# Altium PCB MLB_REV1.PcbDoc (part 4 of 4)
Units mm, origin at the board's own origin, x right, y up, seen from the top; angles counter-clockwise.
Board outline 150 x 100 mm, 4 copper layers (Top Layer, GND, Power, Bottom Layer), stack 0.603 mm thick; 296 components, 218 nets, 1001 pads, 657 vias.
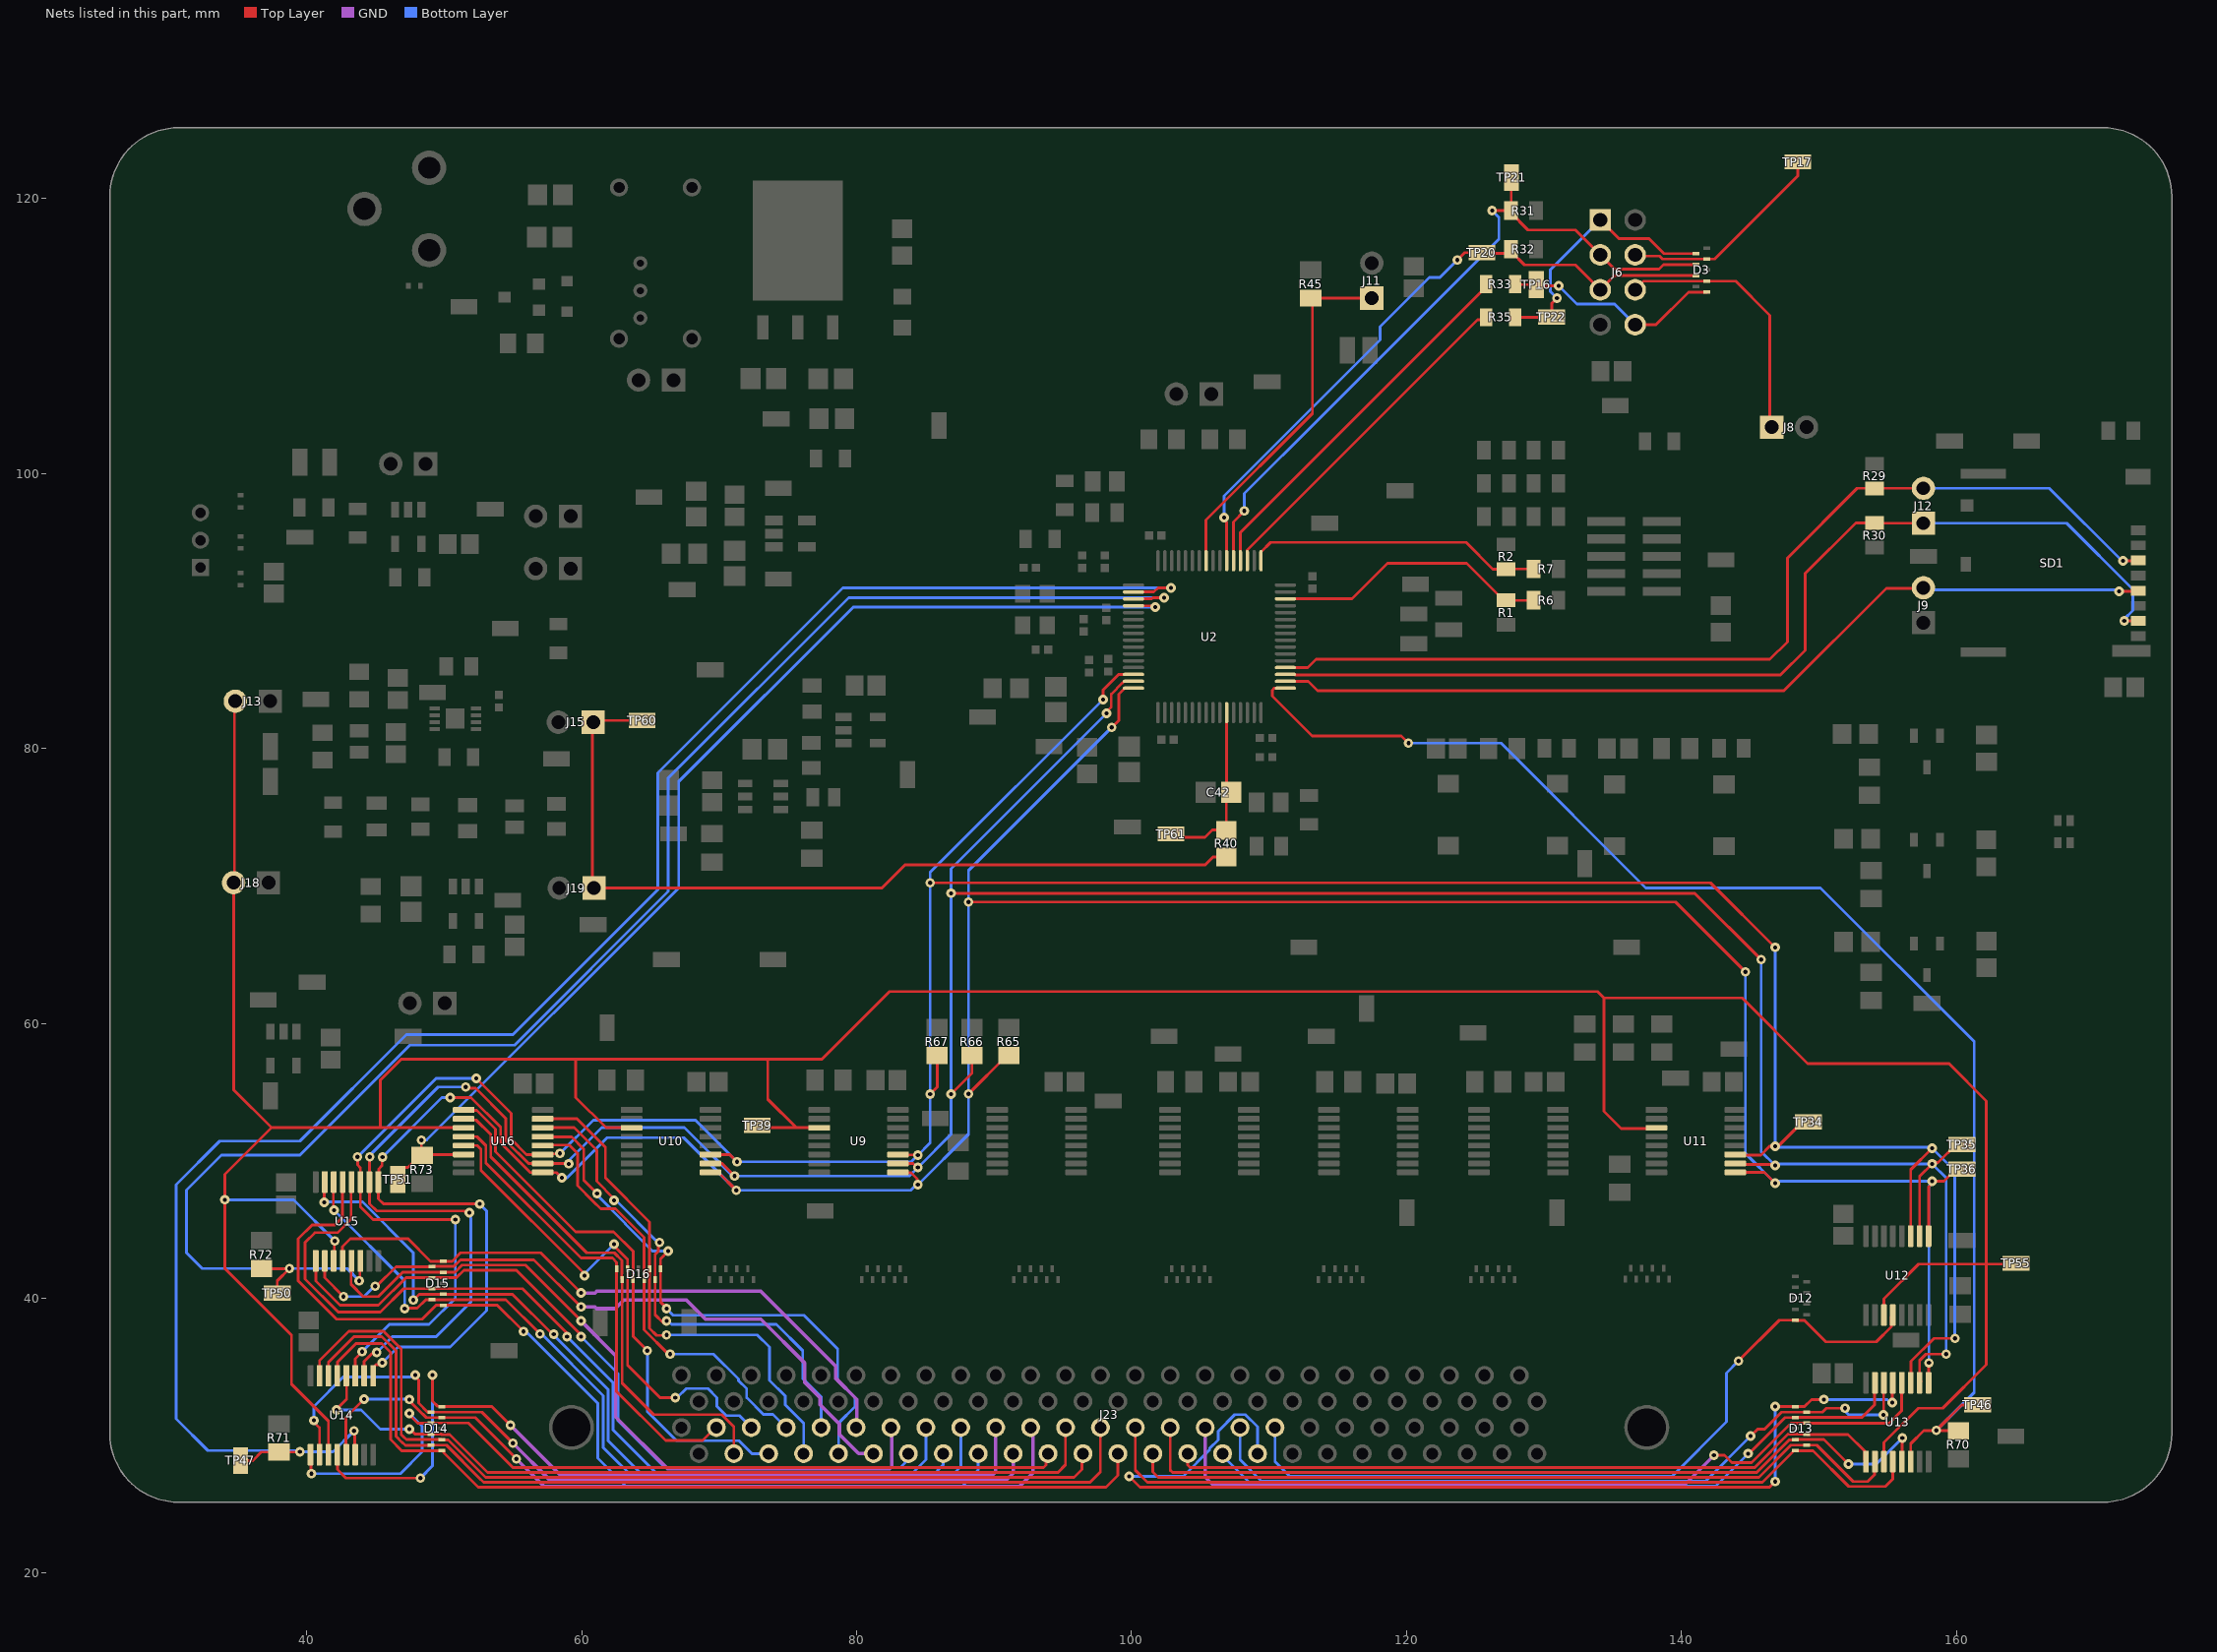
[diagram p6: the nets of this part, all layers, seen from the top]

## Via types
v1: diameter 0.7, hole 0.3, Top Layer to Bottom Layer, tented both sides, 572 vias
v2: diameter 0.7, hole 0.3, Top Layer to Bottom Layer, tented bottom, 79 vias
v3: diameter 5.5, hole 3, Top Layer to Bottom Layer, 6 vias

## Nets (pads, with @x,y where several pads share a name; then routed paths per layer and width w, separated by ;. In a path a pad name is that pad's centre, name@x,y a point inside that pad or via, vN(x,y) a via of type N, cw(c..) or ccw(c..) an arc to the next point about the centre after c; other vN are vias at no path point) (continued)
SENSE_MUX4_Y7: D12.5 J23.66 U12.4 | length 56.6
  Top Layer w0.203: v2(144.145,35.433) 147.117,38.405 D12.5@148.298,38.405 148.321,38.382 148.943,38.382 150.495,36.83 154.178,36.83 155.274,37.926 155.274,38.683 U12.4@155.377,38.786
  Bottom Layer w0.203: J23.66@110.431,30.6 110.431,28.126 111.506,27.051 139.319,27.051 143.281,31.013 143.281,34.569 v2(144.145,35.433)
SENSE_MUX5_EN_L: R70.1 TP46.1 U2.33 U13.6 | length 101.3
  Top Layer w0.203: U2.33@111.189,84.388 111.18,84.379 110.364,84.379 110.236,84.252 110.236,83.82 113.132,80.924 119.609,80.924 v1(120.142,80.391) ; U13.6@156.677,28.118 156.677,29.423 157.616,30.362 158.537,30.362 R70.1@160.147,30.362 ; v1(158.537,30.395) 160.383,32.241 161.527,32.241 TP46.1@161.544,32.258
  Bottom Layer w0.203: v1(120.142,80.391) 126.873,80.391 137.414,69.85 150.114,69.85 161.29,58.674 161.29,33.148 v1(158.537,30.395)
SENSE_MUX5_Y0: D13.1 J23.67 U13.13 | length 77.2
  Top Layer w0.203: v1(99.822,27.051) 100.605,26.268 146.41,26.268 v2(146.812,26.67) ; v2(146.812,32.131) 148.285,32.131 D13.1@148.298,32.118 148.951,32.118 149.472,32.639 v2(150.368,32.639) ; v1(155.333,32.408) 155.333,33.768 155.4,33.835 U13.13@155.377,33.858
  Bottom Layer w0.203: v1(99.822,27.051) 103.759,27.051 105.678,28.971 105.678,29.084 106.289,29.695 106.289,30.325 107.503,31.538 108.28,31.538 109.161,30.657 J23.67@109.161,28.7 ; v2(146.812,26.67) v2(146.812,32.131) ; v2(150.368,32.639) 154.967,32.639 155.198,32.408 v1(155.333,32.408)
SENSE_MUX5_Y1: D13.9 J23.68 U13.14 | length 54.7
  Top Layer w0.203: v2(145.034,29.972) 145.542,30.48 146.05,30.48 147.288,31.718 D13.9@149.098,31.718 150.245,31.718 150.531,32.004 v2(151.892,32.004) ; v1(154.686,31.522) 154.706,31.542 154.706,33.837 U13.14@154.727,33.858
  Bottom Layer w0.203: J23.68@107.891,30.6 107.891,28.253 109.449,26.695 141.757,26.695 v2(145.034,29.972) ; v2(151.892,32.004) 151.987,31.909 151.987,31.703 152.168,31.522 v1(154.686,31.522)
SENSE_MUX5_Y2: D13.2 J23.69 U13.15 | length 52.6
  Top Layer w0.203: v2(144.844,28.702) 144.907,28.702 147.523,31.318 D13.2@148.298,31.318 148.319,31.339 153.132,31.339 154.051,32.258 154.051,33.832 U13.15@154.077,33.858
  Bottom Layer w0.203: J23.69@106.621,28.7 106.621,28.549 108.831,26.34 142.481,26.34 v2(144.844,28.702)
SENSE_MUX5_Y3: D13.8 J23.70 U13.12 | length 59.2
  Top Layer w0.203: v2(142.367,28.575) 143.129,28.575 143.658,28.046 145.092,28.046 147.964,30.918 D13.8@149.098,30.918 155.124,30.918 156.027,31.821 U13.12@156.027,33.858
  GND w0.254: J23.70@105.351,30.6 105.351,26.983 105.918,26.416 140.208,26.416 v2(142.367,28.575)
SENSE_MUX5_Y4: D13.7 J23.71 U13.1 | length 52.5
  Top Layer w0.203: J23.71@104.081,28.7 104.081,27.872 104.263,27.69 145.33,27.69 147.758,30.118 D13.7@149.098,30.118 149.121,30.095 152.116,30.095 153.324,28.887 153.324,28.221 U13.1@153.427,28.118
SENSE_MUX5_Y5: D13.4 J23.72 U13.5 | length 60.7
  Top Layer w0.203: J23.72@102.811,30.6 102.811,27.491 102.967,27.335 145.478,27.335 147.837,29.695 148.275,29.695 D13.4@148.298,29.718 150.368,29.718 v2(152.146,27.94) ; U13.5@156.027,28.118 156.05,28.141 156.05,29.822 v1(156.073,29.845)
  Bottom Layer w0.203: v2(152.146,27.94) 154.168,27.94 v1(156.073,29.845)
SENSE_MUX5_Y6: D13.6 J23.73 U13.2 | length 57.3
  Top Layer w0.203: J23.73@101.541,28.75 101.541,27.364 101.926,26.979 145.625,26.979 147.964,29.318 D13.6@149.098,29.318 149.844,29.318 152.492,26.67 153.543,26.67 154.042,27.169 154.042,28.083 U13.2@154.077,28.118
SENSE_MUX5_Y7: D13.5 J23.74 U13.4 | length 62.1
  Top Layer w0.203: J23.74@100.271,30.6 100.271,27.491 101.139,26.623 145.878,26.623 148.173,28.918 149.567,28.918 152.17,26.314 154.838,26.314 155.377,26.853 U13.4@155.377,28.118
SENSE_MUX6_EN_L: R71.1 TP47.1 U2.2 U14.6 | length 136.1
  Top Layer w0.203: TP47.1@35.179,28.194 36.068,28.194 36.694,28.82 R71.1@37.973,28.82 39.488,28.82 v1(39.497,28.829) ; v1(43.434,30.353) 43.477,30.31 43.477,28.669 U14.6@43.52,28.626 ; U2.2@100.139,91.388 101.62,91.388 101.926,91.694 v1(102.87,91.694)
  Bottom Layer w0.203: v1(39.497,28.829) 41.91,28.829 v1(43.434,30.353) ; v1@39.497,28.924 32.798,28.924 30.48,31.242 30.48,48.26 33.655,51.435 39.497,51.435 47.244,59.182 54.991,59.182 65.532,69.723 65.532,78.232 78.994,91.694 v1(102.87,91.694)
SENSE_MUX6_Y0: D14.1 J23.75 U14.13 | length 68.4
  Top Layer w0.203: U14.13@42.22,34.366 42.22,35.362 43.576,36.718 45.451,36.718 46.101,36.068 46.101,29.718 46.901,28.918 D14.1@49.822,28.918 49.947,28.918 49.97,28.895 49.97,28.77 52.472,26.268 98.15,26.268 99.001,27.119 J23.75@99.001,28.7
SENSE_MUX6_Y1: D14.9 J23.76 U14.14 | length 69.5
  Top Layer w0.203: U14.14@41.57,34.366 41.57,35.347 43.434,37.211 45.461,37.211 46.482,36.19 46.482,29.96 46.931,29.511 46.943,29.511 47.159,29.295 D14.9@49.022,29.295 ; D14.9@49.022,29.318 50.156,29.318 52.55,26.924 52.851,26.623 96.981,26.623 97.731,27.373 J23.76@97.731,30.6
SENSE_MUX6_Y2: D14.2 J23.77 U14.15 | length 66.9
  Top Layer w0.203: U14.15@40.92,34.366 40.92,35.459 43.053,37.592 45.583,37.592 46.863,36.312 46.863,30.082 47.078,29.867 47.095,29.867 47.244,29.718 D14.2@49.822,29.718 49.845,29.695 50.283,29.695 52.998,26.979 95.821,26.979 96.393,27.551 96.393,28.632 J23.77@96.461,28.7
SENSE_MUX6_Y3: D14.8 J23.78 U14.12 | length 60.7
  Top Layer w0.203: v1(42.164,31.877) 42.164,31.933 42.898,32.667 42.898,34.338 U14.12@42.87,34.366 ; v2(47.467,30.48) 47.505,30.48 47.867,30.118 D14.8@49.022,30.118 49.765,30.118 49.786,30.097 50.383,30.097 53.145,27.335 94.645,27.335 95.191,27.881 J23.78@95.191,30.6
  Bottom Layer w0.203: v1(42.164,31.877) 43.942,31.877 45.339,30.48 v2(47.467,30.48)
SENSE_MUX6_Y4: D14.7 J23.79 U14.1 | length 62.3
  Top Layer w0.203: U14.1@40.27,28.626 40.299,28.597 40.299,27.265 v2(40.328,27.236) ; v2(47.467,31.623) 47.467,31.527 48.076,30.918 D14.7@49.022,30.918 49.478,30.918 49.49,30.93 51.752,30.93 54.992,27.69 89.877,27.69 ; 89.877,27.691 93.604,27.691 93.771,27.858 93.771,28.55 J23.79@93.921,28.7
  Bottom Layer w0.203: v2(40.328,27.236) 46.794,27.236 48.387,28.829 48.387,30.703 v2(47.467,31.623)
SENSE_MUX6_Y5: D14.4 J23.80 U14.5 | length 59.7
  Top Layer w0.203: U14.5@42.87,28.626 42.83,28.666 42.83,31.336 v1(44.164,32.671) ; v2@47.467,32.539 48.122,31.884 48.688,31.318 D14.4@49.822,31.318 52.248,31.318 v2(55.245,28.321) ; v2(47.467,32.639) v2@47.467,32.773
  GND w0.254: v2(55.245,28.321) 55.249,28.321 57.277,26.293 91.825,26.293 92.837,27.305 J23.80@92.837,30.6
  Bottom Layer w0.203: v1(44.164,32.671) 44.18,32.655 47.451,32.655 v2(47.467,32.639)
SENSE_MUX6_Y6: D14.6 J23.81 U14.2 | length 61.3
  Top Layer w0.203: v1(40.513,31.115) 40.513,31.003 40.92,30.596 U14.2@40.92,28.626 ; v2(47.879,34.417) 47.879,34.304 48.133,34.05 48.133,32.376 48.767,31.741 48.999,31.741 D14.6@49.022,31.718 52.737,31.718 v2(54.991,29.464)
  GND w0.254: v2(54.991,29.464) 57.659,26.797 90.902,26.797 91.381,27.276 J23.81@91.381,28.7
  Bottom Layer w0.203: v1(40.513,31.115) 40.513,32.131 42.649,34.267 47.512,34.267 47.567,34.322 47.784,34.322 v2(47.879,34.417)
SENSE_MUX6_Y7: D14.5 J23.82 U14.4 | length 63.6
  Top Layer w0.203: U14.4@42.22,28.626 42.22,27.536 42.832,26.924 v2(48.26,26.924) ; v2(49.149,34.417) 49.149,32.512 49.52,32.141 49.799,32.141 D14.5@49.822,32.118 53.455,32.118 v2(54.808,30.765)
  GND w0.254: v2(54.808,30.765) 58.369,27.203 89.962,27.203 90.111,27.352 J23.82@90.111,30.6
  Bottom Layer w0.203: v2(48.26,26.924) 49.149,27.813 v2(49.149,34.417)
SENSE_MUX7_EN_L: R72.1 TP50.1 U2.3 U15.6 | length 119.7
  Top Layer w0.203: R72.1@36.703,42.155 v1@38.726,42.155 ; TP50.1@37.846,40.386 37.846,41.275 v1@38.726,42.155 ; v1(38.735,42.164) v1@38.726,42.155 ; v1(43.815,41.275) 43.858,41.318 43.858,42.68 U15.6@43.901,42.723 ; U2.3@100.139,90.888 101.464,90.888 101.551,90.975 v1(102.362,90.975)
  Bottom Layer w0.203: v1(43.815,41.275) 42.926,42.164 v1(38.735,42.164) 32.385,42.164 31.242,43.307 31.242,47.879 33.782,50.419 39.497,50.419 47.498,58.42 55.118,58.42 66.294,69.596 66.294,77.851 79.418,90.975 v1(102.362,90.975)
SENSE_MUX7_Y0: D15.1 J23.83 U15.13 | length 70.1
  Top Layer w0.203: U15.13@42.601,48.463 42.588,48.45 42.588,45.89 42.037,45.339 40.386,45.339 39.37,44.323 39.37,41.275 42.164,38.481 48.387,38.481 49.403,39.497 D15.1@49.911,39.497 53.848,39.497 v2(55.753,37.592)
  Bottom Layer w0.203: v2(55.753,37.592) 55.887,37.592 56.058,37.421 56.102,37.421 61.162,32.36 61.162,28.373 63.267,26.268 87.609,26.268 88.841,27.5 J23.83@88.841,28.7
SENSE_MUX7_Y1: D15.9 J23.84 U15.14 | length 63.1
  Top Layer w0.203: U15.14@41.951,48.463 41.93,48.442 41.93,46.462 v1(41.984,46.408) ; v2(47.117,39.243) 47.148,39.274 48.037,39.274 48.66,39.897 D15.9@49.111,39.897 54.48,39.897 v2(56.967,37.409)
  Bottom Layer w0.203: v1(41.984,46.408) 47.117,41.275 v2(47.117,39.243) ; v2(56.967,37.409) 57.079,37.409 61.57,32.918 61.57,29.143 64.089,26.623 86.44,26.623 87.571,27.754 J23.84@87.571,30.6
SENSE_MUX7_Y2: D15.2 J23.85 U15.15 | length 60.6
  Top Layer w0.203: v1(41.275,46.99) 41.275,48.437 U15.15@41.301,48.463 ; v2(47.752,39.878) 48.171,40.297 D15.2@49.911,40.297 54.953,40.297 57.866,37.384 v2(57.958,37.384)
  Bottom Layer w0.203: v1(41.275,46.99) 41.297,47.012 44.047,47.012 47.752,43.307 v2(47.752,39.878) ; v2(57.958,37.384) 57.958,37.327 61.926,33.359 61.926,29.641 64.588,26.979 85.399,26.979 86.301,27.881 J23.85@86.301,28.7
SENSE_MUX7_Y3: D15.8 J23.86 U15.12 | length 66.7
  Top Layer w0.203: U15.12@43.251,48.463 43.212,48.424 43.212,45.752 42.234,44.774 40.583,44.774 39.878,44.069 39.878,41.402 42.285,38.995 45.345,38.995 47.047,40.697 D15.8@49.111,40.697 55.696,40.697 58.928,37.465 v2(58.928,37.211)
  Bottom Layer w0.203: v2(58.928,37.211) 62.281,33.858 62.281,30.429 65.375,27.335 84.104,27.335 85.031,28.262 J23.86@85.031,30.6
SENSE_MUX7_Y4: D15.7 J23.87 U15.1 | length 54.9
  Top Layer w0.203: U15.1@40.651,42.723 40.651,41.264 42.418,39.497 45.212,39.497 47.22,41.505 48.002,41.505 48.009,41.498 49.11,41.498 D15.7@49.111,41.497 50.88,41.497 51.42,42.037 55.245,42.037 v2@59.944,37.338
  Bottom Layer w0.203: v2(59.944,37.211) 62.637,34.518 62.637,31.089 66.036,27.69 83.189,27.69 83.538,28.039 83.538,28.477 J23.87@83.761,28.7
SENSE_MUX7_Y5: D15.4 J23.88 U15.5 | length 54
  Top Layer w0.203: U15.5@43.251,42.723 43.211,42.683 43.211,41.025 44.104,40.132 45.212,40.132 46.977,41.897 D15.4@49.911,41.897 50.777,41.897 51.298,42.418 55.896,42.418 59.944,38.37 v2(59.944,38.354)
  GND w0.254: v2(59.944,38.354) 62.484,35.814 62.484,31.369 66.243,27.61 82.401,27.61 82.55,27.759 82.55,30.541 J23.88@82.491,30.6
SENSE_MUX7_Y6: D15.6 J23.89 U15.2 | length 50.7
  Top Layer w0.203: U15.2@41.301,42.723 41.301,41.503 v2(42.672,40.132) ; v2(44.975,40.877) 45.068,40.877 46.488,42.297 D15.6@49.111,42.297 49.134,42.32 49.366,42.32 49.553,42.32 49.556,42.318 50.695,42.318 51.176,42.799 56.515,42.799 v2(59.944,39.37)
  GND w0.254: v2(59.944,39.37) 60.963,39.37 61.084,39.249 62.436,39.249 63.06,39.872 67.614,39.872 69.005,38.481 73.025,38.481 76.231,35.275 76.231,33.878 77.343,32.766 77.343,32.258 78.74,30.861 78.74,30.099 80.139,28.7 J23.89@81.221,28.7
  Bottom Layer w0.203: v2(42.672,40.132) 44.159,40.132 44.904,40.877 v2(44.975,40.877)
SENSE_MUX7_Y7: D15.5 J23.90 U15.4 | length 46.7
  Top Layer w0.203: U15.4@42.601,42.723 42.601,43.749 43.175,44.323 47.371,44.323 48.997,42.697 D15.5@49.911,42.697 50.571,42.697 51.181,43.307 57.023,43.307 v2(59.944,40.386)
  GND w0.254: v2(59.944,40.386) 60.963,40.386 61.084,40.507 73.031,40.507 78.486,35.052 78.486,34.163 80.01,32.639 80.01,30.659 J23.90@79.951,30.6
SENSE_MUX8_EN_L: R73.1 TP51.1 U2.4 U16.6 | length 82.6
  Top Layer w0.203: TP51.1@46.609,48.641 46.609,49.066 47.057,49.514 47.359,49.514 48.237,50.392 R73.1@48.387,50.392 ; v1(48.339,51.514) 48.339,50.44 R73.1@48.387,50.392 ; U16.6@51.41,50.46 48.455,50.46 R73.1@48.387,50.392 ; U2.4@100.139,90.388 100.148,90.379 101.645,90.379 v1(101.727,90.297)
  Bottom Layer w0.203: v1(48.339,51.514) 48.715,51.514 67.056,69.855 67.056,77.597 79.756,90.297 v1(101.727,90.297)
SENSE_MUX8_Y0: D16.1 J23.91 U16.13 | length 40.9
  Top Layer w0.203: U16.13@57.15,51.76 57.175,51.735 59.263,51.735 60.141,50.857 60.141,48.597 v2(61.113,47.625) ; v2(66.167,39.243) 66.167,39.305 65.735,39.737 65.735,42.875 v2(66.294,43.434)
  Bottom Layer w0.203: v2(61.113,47.625) 61.113,47.507 63.18,45.44 63.18,45.405 65.151,43.434 v2(66.294,43.434) ; v2(66.167,39.243) 66.644,38.766 76.169,38.766 78.613,36.322 78.613,34.036 79.883,32.766 79.883,32.131 78.681,30.929 J23.91@78.681,28.7
SENSE_MUX8_Y1: D16.9 J23.92 U16.14 | length 36.8
  Top Layer w0.203: U16.14@57.15,52.41 59.442,52.41 61.087,50.765 61.087,48.514 62.357,47.244 v2(62.357,47.117) ; v2(65.659,44.069) 65.564,43.974 65.564,43.425 65.335,43.196 D16.9@65.335,41.364 65.335,38.805 65.892,38.248 65.904,38.259 66.072,38.259 v2(66.167,38.354)
  Bottom Layer w0.203: v2(62.357,47.117) 62.484,47.117 65.532,44.069 v2(65.659,44.069) ; v2(66.167,38.354) 66.28,38.354 66.534,38.1 74.168,38.1 76.073,36.195 76.073,34.163 77.411,32.825 J23.92@77.411,30.6
SENSE_MUX8_Y2: D16.2 J23.93 U16.15 | length 38
  Top Layer w0.203: U16.15@57.15,53.06 59.646,53.06 61.722,50.984 61.722,48.768 64.935,45.555 D16.2@64.935,42.164 64.935,37.808 65.448,37.295 66.124,37.295 v2(66.167,37.338)
  Bottom Layer w0.203: v2(66.167,37.338) 72.771,37.338 73.66,36.449 73.66,34.036 74.803,32.893 74.803,32.258 76.141,30.92 J23.93@76.141,28.7
SENSE_MUX8_Y3: D16.8 J23.94 U16.12 | length 32
  Top Layer w0.203: U16.12@57.15,51.11 57.19,51.15 59.086,51.15 59.69,50.546 59.69,48.194 60.863,47.021 61.371,46.513 62.453,46.513 64.535,44.431 64.535,37.705 66.299,35.941 v1(66.421,35.941)
  Bottom Layer w0.203: v1(66.421,35.941) 69.577,35.941 71.393,34.125 71.393,34.011 71.999,33.405 71.999,32.775 73.213,31.562 73.909,31.562 J23.94@74.871,30.6
SENSE_MUX8_Y4: D16.7 J23.95 U16.1 | length 39.7
  Top Layer w0.203: U16.1@51.41,53.71 51.44,53.68 52.365,53.68 53.732,52.313 53.732,50.662 59.563,44.831 62.322,44.831 63.735,43.418 D16.7@63.735,41.364 63.735,37.23 v1(64.77,36.195)
  Bottom Layer w0.203: v1(64.77,36.195) 64.77,31.755 66.887,29.638 71.45,29.638 72.388,28.7 J23.95@73.601,28.7
SENSE_MUX8_Y5: D16.4 J23.96 U16.5 | length 37.9
  Top Layer w0.203: U16.5@51.41,51.11 52.395,51.11 52.665,50.84 52.665,49.316 60.198,41.783 v2(60.198,41.656) ; v2(62.357,43.942) 62.357,43.815 63.335,42.837 63.335,35.125 65.694,32.766 v1(66.802,32.766)
  Bottom Layer w0.203: v2(60.198,41.656) 60.198,41.783 v2(62.357,43.942) ; v1(66.802,32.766) 66.94,32.766 67.612,33.438 69.178,33.438 69.838,32.778 69.838,32.143 70.514,31.467 71.464,31.467 J23.96@72.331,30.6
SENSE_MUX8_Y6: D16.6 J23.97 U16.2 | length 37.1
  Top Layer w0.203: U16.2@51.41,53.06 51.494,52.976 52.31,52.976 53.377,51.91 53.377,50.296 60.366,43.307 62.362,43.307 62.914,42.755 62.914,41.809 62.902,41.797 62.902,41.628 62.912,41.619 62.912,41.387 D16.6@62.935,41.364 62.935,33.826 65.223,31.538 70.18,31.538 71.061,30.657 J23.97@71.061,28.7
SENSE_MUX8_Y7: D16.5 J23.98 U16.4 | length 34.2
  Top Layer w0.203: U16.4@51.41,51.76 51.415,51.755 52.381,51.755 53.021,51.115 53.021,49.849 59.944,42.926 62.23,42.926 62.535,42.621 D16.5@62.535,42.164 62.535,33.223 66.096,29.662 68.778,29.662 69.716,30.6 J23.98@69.791,30.6
SENSE_MUX_OUT: J13.2 J18.2 TP39.1 TP55.1 U9.3 U10.3 U11.3 U12.3 U13.3 U14.3 U15.3 U16.3 | length 284.6
  Top Layer w0.203: v1(34.026,47.17) 34.036,47.17 34.036,42.164 38.886,37.314 38.886,33.758 41.57,31.074 U14.3@41.57,28.626 ; v1@34.026,47.18 34.026,49.012 37.424,52.41 ; J13.2@34.798,83.439 34.734,83.376 34.734,70.294 J18.2@34.671,70.231 34.671,55.163 37.424,52.41 ; U15.3@41.951,42.723 41.994,42.766 41.994,44.127 v1(42.037,44.17) ; U16.3@51.41,52.41 45.339,52.41 ; U10.3@63.622,52.41 61.763,52.41 59.563,54.61 59.563,57.404 ; TP39.1@72.771,52.578 72.939,52.41 75.606,52.41 ; U9.3@77.267,52.41 75.606,52.41 ; U11.3@138.176,52.41 138.119,52.353 135.607,52.353 134.366,53.594 134.366,61.849 ; U13.3@154.727,28.118 154.727,29.505 157.226,32.004 159.004,32.004 162.179,35.179 162.179,42.485 ; U12.3@154.727,38.786 154.727,39.957 157.256,42.485 162.179,42.485 ; TP55.1@164.338,42.545 164.278,42.485 162.179,42.485 ; 37.424,52.41 45.339,52.41 ; 45.339,52.41 45.339,55.88 46.863,57.404 59.563,57.404 ; 59.563,57.404 73.414,57.404 ; 73.414,57.404 77.47,57.404 82.382,62.316 133.899,62.316 134.366,61.849 ; 73.414,57.404 73.533,57.285 73.533,54.483 75.606,52.41 ; 134.366,61.849 144.407,61.849 149.191,57.065 159.47,57.065 162.179,54.356 162.179,42.485
  Bottom Layer w0.203: v1(34.026,47.17) 39.037,47.17 v1(42.037,44.17)
SENSE_MUX_S1: R67.2 TP34.1 U2.14 U9.11 U10.11 U11.11 U12.11 U13.11 U14.11 U15.11 U16.11 | length 247.4
  Top Layer w0.203: U14.11@43.52,34.366 43.52,35.599 44.023,36.102 v1(44.023,36.114) ; v1(43.688,50.292) 43.688,49.698 43.901,49.485 U15.11@43.901,48.463 43.901,46.65 44.831,45.72 v1(50.8,45.72) ; v1(52.324,56.007) 54.864,53.467 54.864,51.581 55.985,50.46 U16.11@57.15,50.46 57.193,50.503 58.377,50.503 v1(58.42,50.546) ; U10.11@69.362,50.46 70.771,50.46 v1(71.301,49.93) ; U9.11@83.007,50.46 83.027,50.439 84.435,50.439 v1(84.455,50.419) ; v1(85.344,54.864) 85.852,55.372 R67.2@85.852,57.649 ; v1(85.344,70.231) 142.113,70.231 v1(146.812,65.532) ; v1(97.917,83.566) 97.917,84.258 99.047,85.388 U2.14@100.139,85.388 ; U11.11@143.916,50.46 143.953,50.423 145.773,50.423 146.404,51.054 v1(146.812,51.054) 146.907,51.149 147.117,51.149 148.8,52.832 TP34.1@149.225,52.832 ; U13.11@156.677,33.858 156.698,33.878 156.698,35.413 158.369,37.084 v1(159.893,37.084) ; U12.11@156.677,44.526 156.677,49.362 v1(158.242,50.927)
  Bottom Layer w0.203: v1(43.688,50.292) 49.403,56.007 v1(52.324,56.007) ; v1(44.023,36.114) 46.009,38.1 48.895,38.1 50.8,40.005 v1(50.8,45.72) ; v1(58.42,50.546) 60.833,52.959 68.272,52.959 v1(71.301,49.93) 83.966,49.93 v1(84.455,50.419) 85.344,51.308 v1(85.344,54.864) v1(85.344,70.231) 85.344,70.993 v1(97.917,83.566) ; v1(146.812,65.532) v1(146.812,51.054) 146.875,50.99 v1@158.144,50.99 ; v1(158.242,50.927) 159.893,49.276 v1(159.893,37.084)
SENSE_MUX_S2: R66.2 TP35.1 U2.15 U9.10 U10.10 U11.10 U12.10 U13.10 U14.10 U15.10 U16.10 | length 243.1
  Top Layer w0.203: U14.10@44.17,34.366 44.17,35.407 44.736,35.973 44.99,35.973 v1(45.085,36.068) ; v1(44.577,50.292) 44.564,50.279 44.564,48.476 U15.10@44.551,48.463 44.561,48.453 44.561,46.879 45.085,46.355 51.449,46.355 51.481,46.323 51.721,46.323 v1(51.816,46.228) ; v1(51.562,55.372) 51.657,55.277 52.292,55.277 54.483,53.086 54.483,51.46 56.133,49.81 U16.10@57.15,49.81 57.163,49.797 59.042,49.797 v1(59.055,49.784) ; U10.10@69.362,49.81 70.205,49.81 v1(71.12,48.895) ; U9.10@83.007,49.81 84.097,49.81 84.377,49.53 v1(84.455,49.53) ; v1(86.868,54.864) 88.392,56.388 R66.2@88.392,57.649 ; v1(86.868,69.469) 140.97,69.469 v1(145.796,64.643) ; v1(98.171,82.55) 98.171,82.663 98.521,83.013 98.521,83.956 99.332,84.767 99.355,84.767 99.476,84.888 U2.15@100.139,84.888 ; U11.10@143.916,49.81 143.992,49.734 146.735,49.734 v1(146.812,49.657) ; U12.10@157.327,44.526 157.327,48.869 v1(158.242,49.784) 158.337,49.879 158.674,49.879 159.976,51.181 TP35.1@160.401,51.181 ; U13.10@157.43,33.961 U13.10@157.327,33.858 157.327,35.476 157.792,35.941 v1(159.258,35.941)
  Bottom Layer w0.203: v1(44.577,50.292) 44.577,50.396 49.553,55.372 v1(51.562,55.372) ; v1(45.085,36.068) 46.228,37.211 49.403,37.211 50.419,38.227 50.435,38.227 51.943,39.735 51.943,45.847 51.911,45.879 51.911,46.133 v1(51.816,46.228) ; v1(59.055,49.784) 59.15,49.879 59.15,50.133 61.444,52.427 67.461,52.427 70.993,48.895 v1(71.12,48.895) 83.82,48.895 v1(84.455,49.53) 86.868,51.943 v1(86.868,54.864) 86.868,71.247 v1(98.171,82.55) ; v1(145.796,64.643) 145.796,50.673 v1(146.812,49.657) 146.939,49.784 v1(158.242,49.784) 159.258,48.768 v1(159.258,35.941)
SENSE_MUX_S3: R65.2 TP36.1 U2.16 U9.9 U10.9 U11.9 U12.9 U13.9 U14.9 U15.9 U16.9 | length 238.6
  Top Layer w0.203: U14.9@44.82,34.366 44.923,34.469 44.923,35.058 45.042,35.177 45.226,35.177 45.363,35.313 v1(45.497,35.313) ; v1(45.504,50.283) 45.466,50.245 45.466,49.657 45.229,49.42 45.229,49.071 45.201,49.043 45.201,47.236 45.574,46.863 v1(52.578,46.863) ; v1(50.419,54.61) 51.938,54.61 54.102,52.446 54.102,51.308 56.261,49.149 U16.9@57.15,49.149 ; U16.9@57.15,49.16 U16.9@57.15,49.149 ; v1(58.547,48.768) 58.166,49.149 U16.9@57.15,49.149 ; U10.9@69.362,49.16 69.942,49.16 v1(71.247,47.855) ; U9.9@83.007,49.16 83.035,49.132 83.964,49.132 84.386,48.71 84.386,48.329 v1(84.455,48.26) ; v1(88.138,54.878) 90.909,57.649 R65.2@91.059,57.649 ; v1(88.138,68.834) 139.573,68.834 v1(144.653,63.754) ; v1(98.552,81.534) 99.06,82.042 99.06,83.959 99.489,84.388 U2.16@100.139,84.388 ; U11.9@143.916,49.16 146.039,49.16 v1(146.812,48.387) ; U13.9@157.977,33.858 157.992,33.873 157.992,35.287 v1(158.007,35.302) ; U12.9@157.977,44.526 157.977,48.115 158.242,48.38 v1(158.242,48.514) 159.087,48.514 159.976,49.403 TP36.1@160.401,49.403
  Bottom Layer w0.203: v1(45.497,35.313) 46.641,36.458 50.428,36.458 53.086,39.116 53.086,46.355 v1(52.578,46.863) ; v1(45.504,50.283) 49.831,54.61 v1(50.419,54.61) ; v1(58.547,48.768) 58.928,48.768 61.849,51.689 67.413,51.689 v1(71.247,47.855) 83.934,47.855 84.339,48.26 v1(84.455,48.26) 88.138,51.943 v1(88.138,68.834) 88.138,71.12 v1(98.552,81.534) ; v1(144.653,63.754) 144.653,50.546 v1(146.812,48.387) 146.939,48.514 v1(158.242,48.514) 158.242,48.38 158.007,48.144 v1(158.007,35.302)
SENSE_OUT: C42.1 R40.2 TP61.1 U2.27 | length 13.4
  Top Layer w0.203: TP61.1@102.87,73.787 103.124,73.533 105.337,73.533 105.874,74.069 106.41,74.069 R40.2@106.897,74.556 ; R40.2@106.883,74.052 106.897,74.065 R40.2@106.897,74.556 ; U2.27@106.914,82.613 106.914,77.146 C42.1@107.25,76.81 106.897,76.456 R40.2@106.897,74.556
SENSE_OUT_R: J15.1 J19.1 R40.1 TP60.1 | length 62.7
  Top Layer w0.203: TP60.1@64.389,82.042 60.96,82.042 J15.1@60.833,81.915 60.77,81.852 60.77,69.977 J19.1@60.896,69.85 81.839,69.85 83.513,71.524 105.348,71.524 105.924,72.1 R40.1@106.883,72.1
SPI_CS2_L: J11.1 R45.2 U2.57 | length 26.8
  Top Layer w0.203: U2.57@105.414,93.663 105.414,96.626 113.157,104.369 R45.2@113.157,112.767 ; R45.2@113.03,112.767 R45.2@113.157,112.767 ; J11.1@117.475,112.776 113.166,112.776 R45.2@113.157,112.767
SPI_MISO: J12.1 R30.1 SD1.7 U2.35 | length 75.2
  Top Layer w0.203: U2.35@111.189,85.388 111.852,85.388 111.896,85.344 147.193,85.344 148.998,87.149 148.998,92.737 152.676,96.415 R30.1@154.051,96.415 154.073,96.393 J12.1@157.607,96.393 ; v1(172.212,89.281) 172.974,89.281 173.101,89.154 SD1.7@173.228,89.281
  Bottom Layer w0.203: J12.1@157.607,96.393 168.021,96.393 172.847,91.567 172.847,90.05 172.212,89.415 v1(172.212,89.281)
SPI_MOSI: J12.2 R29.1 SD1.3 U2.36 | length 73.2
  Top Layer w0.203: U2.36@111.189,85.888 112.812,85.888 113.411,86.487 146.431,86.487 147.701,87.757 147.701,93.853 152.781,98.933 J12.2@157.607,98.933 ; v1(172.131,93.645) 173.192,93.645 SD1.3@173.228,93.681
  Bottom Layer w0.203: J12.2@157.607,98.933 166.751,98.933 172.039,93.645 v1(172.131,93.645)
SPI_SCK: J9.2 SD1.5 U2.34 | length 65.4
  Top Layer w0.203: U2.34@111.189,84.888 112.851,84.888 113.538,84.201 147.447,84.201 154.896,91.65 157.563,91.65 J9.2@157.607,91.694 ; v1(171.831,91.44) 172.862,91.44 172.909,91.488 172.957,91.44 173.113,91.596 SD1.5@173.228,91.481
  Bottom Layer w0.203: J9.2@157.861,91.694 158.02,91.535 171.736,91.535 v1(171.831,91.44)
SWDCLK: R2.1 R7.2 U2.49 | length 21.6
  Top Layer w0.203: U2.49@109.414,93.663 109.414,94.301 110.109,94.996 124.333,94.996 126.275,93.054 R2.1@127.24,93.054 127.251,93.065 R7.2@129.25,93.065
SWDIO: R1.1 R6.2 U2.46 | length 20.2
  Top Layer w0.203: U2.46@111.189,90.888 116.034,90.888 118.618,93.472 124.383,93.472 127.065,90.79 R1.1@127.24,90.79 ; R1.1@127.24,90.779 R6.2@129.25,90.779
UART_RX: R35.1 U2.51 | length 25.2
  Top Layer w0.203: U2.51@108.414,93.663 108.423,93.672 108.423,94.453 125.153,111.183 125.593,111.183 R35.1@125.789,111.379
UART_TX: R33.1 U2.52 | length 27.5
  Top Layer w0.203: U2.52@107.914,93.663 107.914,95.717 125.789,113.592 R33.1@125.789,113.792
WIFI_EN: D3.7 J6.3 R31.2 TP21.1 U2.53 | length 52.9
  Top Layer w0.203: U2.53@107.414,93.663 107.414,96.492 v1(108.204,97.282) ; v1(126.226,119.131) 127.608,119.131 R31.2@127.613,119.126 ; TP21.1@127.635,121.539 127.613,121.517 R31.2@127.613,119.126 ; D3.7@141.059,115.208 138.703,115.208 138.369,114.874 135.131,114.874 J6.3@134.092,115.913 132.276,117.729 128.835,117.729 127.613,118.951 R31.2@127.613,119.126
  Bottom Layer w0.203: v1(108.204,97.282) 108.204,98.552 113.665,104.013 126.715,117.063 126.715,118.642 v1(126.226,119.131)
WIFI_GPIO0: D3.2 J6.6 J8.1 | length 19.3
  Top Layer w0.203: J6.6@136.632,113.373 137.267,114.008 D3.2@141.859,114.008 143.937,114.008 146.312,111.633 146.431,111.514 146.431,103.505 J8.1@146.558,103.378
WIFI_GPIO2: D3.4 J6.4 TP17.1 | length 15.5
  Top Layer w0.203: J6.4@136.632,115.913 136.721,115.824 138.405,115.824 138.621,115.608 D3.4@141.859,115.608 142.414,115.608 148.463,121.657 TP17.1@148.463,122.682
WIFI_RST: D3.8 J6.5 R32.2 TP20.1 U2.54 | length 48.6
  Top Layer w0.203: v1(106.725,96.799) 106.725,96.665 106.914,96.476 U2.54@106.914,93.663 ; v1(123.701,115.545) 124.234,116.078 TP20.1@125.476,116.078 TP20.1@126.046,116.078 ; TP20.1@126.046,116.018 127.299,116.018 R32.2@127.613,116.332 ; R32.2@127.677,116.093 128.581,115.189 132.276,115.189 J6.5@134.092,113.373 135.131,114.412 138.554,114.412 138.558,114.408 D3.8@141.059,114.408
  Bottom Layer w0.203: v1(106.725,96.799) 106.725,98.383 118.079,109.737 118.079,110.687 121.665,114.274 122.43,114.274 v1(123.701,115.545)
WIFI_RX: D3.1 J6.8 R33.2 TP16.1 | length 16.3
  Top Layer w0.203: R33.2@127.889,113.792 127.924,113.757 TP16.1@129.448,113.757 129.54,113.665 130.879,113.665 130.972,113.757 v1(131.064,113.665) ; J6.8@136.632,110.833 138.138,110.833 140.513,113.208 D3.1@141.859,113.208
  Bottom Layer w0.203: v1(131.064,113.665) 132.397,112.332 135.133,112.332 J6.8@136.632,110.833
WIFI_TX: D3.6 J6.1 R35.2 TP22.1 | length 19.7
  Top Layer w0.203: R35.2@127.889,111.379 130.463,111.379 TP22.1@130.556,111.379 130.556,112.395 v1(130.937,112.776) ; J6.1@134.092,118.453 135.451,117.094 137.638,117.094 138.724,116.008 D3.6@141.059,116.008 141.131,116.008 D3.6@141.155,116.031
  Bottom Layer w0.203: v1(130.937,112.776) 130.46,113.253 130.46,114.821 J6.1@134.092,118.453
pads on no net: J1.3 J1.4 J1.5 J1.6 J1.7 SD1.1 SD1.8 U5.7 U6.7 U7.7 U8.7 U9.7 U10.7 U11.7 U12.7 U13.7 U14.7 U15.7 U16.7

## Polygon pours and split planes (outlines as drawn)
GND on Top Layer "GND_osc" (solid, remove dead copper, pour order 13): 89.789,94.678 89.789,84.9 96.012,84.9 96.012,87.694 98.171,87.694 98.171,91.885 95.504,91.885 95.504,94.678
GND on Top Layer "GND_L01_P010" (solid, remove dead copper, pour order 10): 25.671,125.166 25.671,25.166 175.671,25.166 175.671,125.166
PP5V_SW2 on Top Layer "PP5V_SW2_L01_P005" (solid, remove dead copper, pour order 5): 65.659,108.585 71.12,108.585 71.12,112.141 74.295,112.141 74.295,108.458 73.279,108.458 73.279,105.537 65.659,105.537
PP5V_SW1 on Top Layer "PP5V_SW1_L01_P004" (solid, remove dead copper, pour order 4): 61.214,112.014 65.024,112.014 65.024,105.537 61.214,105.537
PP5V_RVP on Top Layer "PP5V_RVP_L01_P002" (solid, remove dead copper, pour order 2): 55.753,113.157 60.198,113.157 60.198,112.522 65.024,112.522 65.024,117.602 60.579,117.602 60.579,121.793 57.658,121.793 57.658,115.57 55.753,115.57
PP5V_CONN on Top Layer "PP5V_CONN_L01_P000" (solid, remove dead copper, pour order 0): 47.752,118.11 47.752,112.141 55.118,112.141 55.118,118.11
NetD2_2 on Top Layer "NETD2_2_L01_P003" (solid, remove dead copper, pour order 3): 55.753,112.776 59.817,112.776 59.817,108.331 55.753,108.331
PP3V3 on Top Layer "PP3V3_L01_P009" (solid, remove dead copper, pour order 9): 77.47,112.141 80.264,112.141 80.264,111.76 84.328,111.76 84.328,102.362 78.105,102.362 78.105,108.585 77.47,108.585
PP3V3 on Power "PP3V3_L03_P018" (solid, pour order 18): 25.671,125.222 25.671,25.273 175.641,25.273 175.641,125.095
PP3V3_SENSE on Power "PP3V3_SENSE_L03_P017" (solid, pour order 17): 61.976,88.138 61.976,63.246 37.719,63.246 37.719,88.138
PP3V3_AUDIO on Power "PP3V3_AUDIO_L03_P016" (solid, pour order 16): 77.978,102.108 77.978,89.408 30.353,89.408 30.353,102.108
PP3V3_PWR_MUX on Power "PP3V3_PWR_MUX_L03_P014" (solid, pour order 14): 88.138,52.705 88.138,51.054 125.984,51.054 125.984,52.705
PP3V3_PWR_MUX on Power "PP3V3_PWR_MUX_L03_P015" (solid, pour order 15): 63.246,78.359 63.246,57.531 84.201,57.531 84.201,51.054 89.408,51.054 89.408,52.832 85.725,52.832 85.725,58.801 65.024,58.801 65.024,78.359
GND on Bottom Layer "GND_L04_P008" (solid, remove dead copper, pour order 8): 25.671,125.166 25.671,25.166 175.671,25.166 175.671,125.166
GND on GND "GND_L02_P019" (solid, pour order 19): 25.146,125.603 25.146,25.273 175.514,25.273 175.514,125.349

## Silkscreen, mask and mechanical layers (free items; w line width, h text height)
Top Overlay:
  lines w0.254: 24.13,86.995 39.116,86.995 ccw(c39.116,88.265) 40.386,88.265 40.386,90.551 cw(c40.894,90.551) 40.894,91.059 60.96,91.059 cw(c60.96,90.678) 61.341,90.678 ccw(c62.357,90.678) 62.357,89.662 65.913,89.662 79.121,89.662 ccw(c79.121,90.932) 80.391,90.932 80.391,97.917 ccw(c79.121,97.917) 79.121,99.187 76.708,99.187 cw(c76.708,100.33) 75.565,100.33 ccw(c74.549,100.33) 74.549,101.346 51.816,101.346 cw(c51.816,102.616) 50.546,102.616 ccw(c49.276,102.616) 49.276,103.886 25.273,103.886 cw(c25.273,104.013) 25.146,104.013 ; 62.484,70.993 ccw(c63.754,70.993) 63.754,69.723 84.074,69.723 ccw(c84.074,70.993) 85.344,70.993 85.344,86.995 ccw(c84.074,86.995) 84.074,88.265 75.311,88.265 ccw(c75.311,86.995) 74.041,86.995 74.041,84.455 cw(c72.771,84.455) 72.771,83.185 72.009,83.185 ccw(c72.009,81.915) 70.739,81.915 70.739,81.788 cw(c69.469,81.788) 69.469,80.518 63.5,80.518 ccw(c63.5,79.502) 62.484,79.502 62.484,70.993
  text "EN" at 127.127,123.063 h1.27
  text "PWR SW" at 64.254,122.689 h1.27
  text "LDO" at 72.53,122.356 h1.27
  text "GPIO 2" at 150.114,122.315 h1.27
  text "5V" at 40.386,121.92 h1.27
  text "RST" at 124.46,117.108 h1.27
  text "3V3" at 114.949,116.459 h1.27 r270
  text "RX" at 130.429,114.173 h1.27
  text "CS2" at 114.949,113.792 h1.27 r270
  text "5V" at 50.546,110.377 h1.27
  text "PB4" at 113.919,109.982 h1.27 r270
  text "PB5" at 118.378,109.982 h1.27 r270
  text "TX" at 130.048,109.22 h1.27
  text "SDA" at 105.029,108.091 h1.27
  text "PB7" at 108.839,107.696 h1.27
  text "SCL" at 102.108,107.456 h1.27
  text "WIFI MODULE" at 123.444,107.188 h1.27
  text "MATTRICS MLB  / Rev. 1" at 30.099,105.791 h1.52
  text "SD CARD" at 162.941,105.156 h1.27
  text "WIFI / GPIO0" at 144.653,104.775 h1.27
  text "GND" at 148.59,104.775 h1.27
  text "GND" at 130.81,104.535 h1.27
  text "GND" at 158.242,103.646 h1.27
  text "GND" at 72.771,102.122 h1.27
  text "PP3V3" at 84.201,100.979 h1.27
  text "MOSI" at 155.335,100.457 h1.27 r270
  text "PP3V3 AUD" at 60.071,99.455 h1.27
  text "AUD OUT" at 50.927,98.566 h1.27
  text "MISO" at 155.335,97.155 h1.27 r270
  text "GND" at 118.326,96.746 h1.27
  text "PA12" at 119.478,92.914 h1.27
  text "SCK" at 155.335,92.583 h1.27 r270
  text "PA11" at 122.174,91.948 h1.27
  text "GND" at 63.373,91.073 h1.27
  text "ADC_IN" at 72.771,90.268 h1.27
  text "GND" at 155.335,89.789 h1.27 r270
  text "PA10" at 116.495,89.404 h1.27
  text "PP3V3 SNS" at 46.99,88.406 h1.27
  text "MICROPHONE" at 26.67,87.249 h1.27
  text "PA8" at 117.049,87.248 h1.27
  text "PA9" at 122.176,86.888 h1.27
  text "GND" at 68.06,83.735 h1.27
  text "VELOSTAT / SENSING" at 26.797,77.597 h1.27
  text "GND" at 95.631,73.928 h1.27
  text "LD SW" at 71.628,72.658 h1.27
  text "PWR MUX SNS & SW" at 79.297,70.231 h1.27
  text "RESET BTN" at 123.317,69.85 h1.27
  text "TEST BTN" at 135.636,69.85 h1.27
  text "GND" at 131.826,69.483 h1.27
  text "PP3V3" at 110.871,63.641 h1.27
  text "GND" at 134.874,63.641 h1.27
  text "PWR MX" at 64.008,62.865 h1.27
  text "GND" at 72.827,62.758 h1.27
  text "GND" at 118.251,62.23 h1.27 r270
  text "SMX2 EN" at 61.087,61.228 h1.27
  text "GND" at 159.258,60.974 h1.27
  text "PMX1 EN" at 122.809,60.452 h1.27
  text "PMX2 EN" at 111.252,60.325 h1.27
  text "PMX3 EN" at 101.219,60.212 h1.27
  text "SMX3 EN" at 133.35,55.64 h1.27
  text "SMX S1" at 148.209,53.989 h1.27
  text "PMX S1" at 97.155,52.592 h1.27
  text "SMX7" at 42.545,50.052 h1.27
  text "SMX8" at 53.594,47.512 h1.27
  text "SMX1" at 80.772,46.496 h1.27
  text "PMX1" at 124.587,46.482 h1.27
  text "SMX2" at 66.929,46.369 h1.27
  text "SMX3" at 141.732,46.369 h1.27
  text "PMX4" at 93.853,46.355 h1.27
  text "PMX2" at 113.602,46.251 h1.27
  text "PMX3" at 106.426,46.115 h1.27
  text "SMX4" at 155.829,45.861 h1.27
  text "SMX4 EN" at 159.385,45.226 h1.27
  text "PMX S3" at 119.253,44.083 h1.27
  text "PMX S2" at 130.175,43.956 h1.27
  text "SMX5 EN" at 161.215,38.076 h1.27 r270
  text "IDC 50" at 68.834,37.86 h1.27
  text "IDC 100" at 60.325,36.082 h1.27
  text "IDC 99" at 49.403,35.828 h1.27
  text "SMX6" at 38.749,34.925 h1.27 r270
  text "SMX5" at 158.891,34.671 h1.27 r270
  text "GND" at 163.195,28.081 h1.27
Bottom Overlay:
  drawing of 197 lines, arcs and shapes, not listed
Board Shape:
  circle w0.013: c35.671,115.166 r1.25
  circle w0.013: c35.671,35.166 r1.25
  circle w0.013: c100.671,60.166 r1.25
  circle w0.013: c165.671,35.166 r1.25
  circle w0.013: c165.671,115.166 r1.25
  circle w0.013: c100.671,115.166 r1.25
  lines w0.013: 25.671,30.166 ccw(c30.671,30.166) 30.671,25.166 170.671,25.166 ccw(c170.671,30.166) 175.671,30.166 175.671,120.166 ccw(c170.671,120.166) 170.671,125.166 30.671,125.166 ccw(c30.671,120.166) 25.671,120.166 25.671,30.166